# Altium PCB BACKPMANv21.PcbDoc (part 3 of 5)
Units mm, origin at the board's own origin, x right, y up, seen from the top; angles counter-clockwise.
Board outline 113 x 160 mm, 4 copper layers (Component Side, Layer 1, Layer 2, Bottom Layer), stack 1.637 mm thick; 353 components, 234 nets, 1200 pads, 796 vias.
Unrouted connection lines stored in the file: 4.
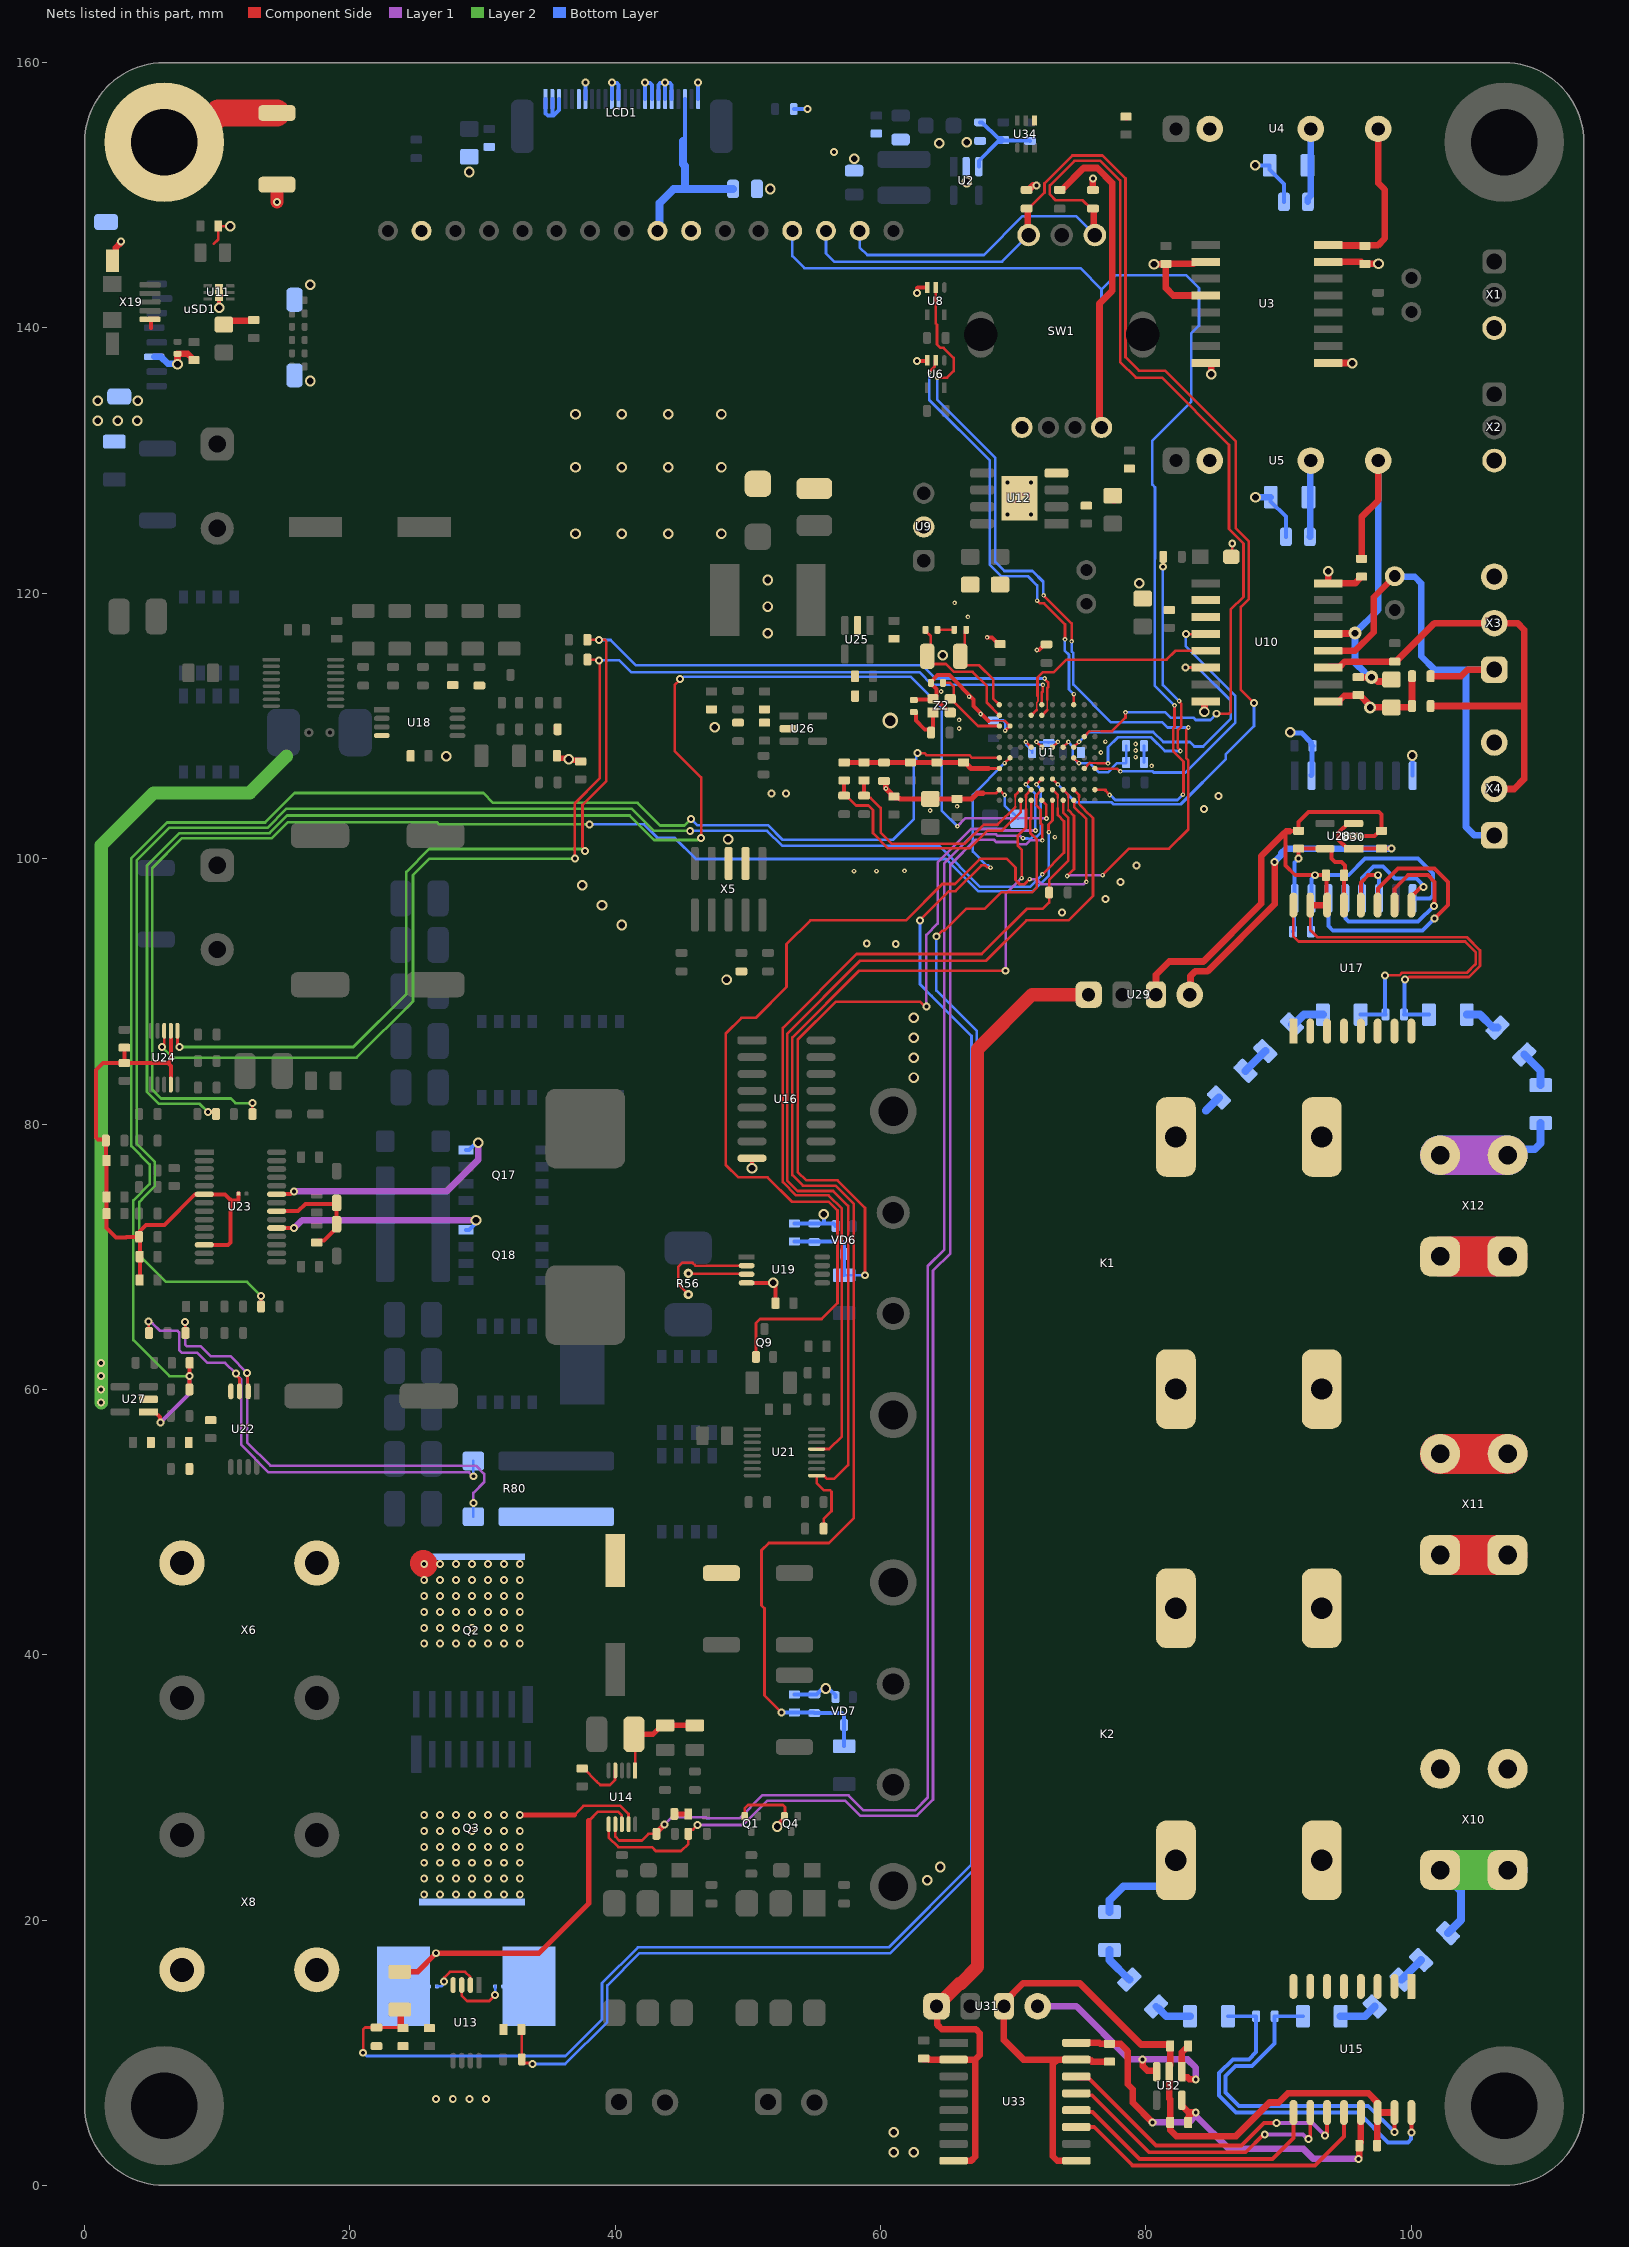
[diagram p5: the nets of this part, all layers, seen from the top]

## Via types
v1: diameter 0.8, hole 0.5, Component Side to Bottom Layer, tented both sides, 220 vias
v2: diameter 0.6, hole 0.3, Component Side to Bottom Layer, tented both sides, 204 vias
v3: diameter 0.35, hole 0.15, Component Side to Bottom Layer, tented both sides, 137 vias
v4: diameter 0.61, hole 0.3, Component Side to Bottom Layer, tented both sides, 135 vias
v5: diameter 0.6, hole 0.3, Component Side to Bottom Layer, 94 vias
v6: diameter 0.8, hole 0.5, Component Side to Bottom Layer, 2 vias
v7: diameter 1, hole 0.5, Component Side to Bottom Layer, tented both sides, 2 vias
v8: diameter 1.2, hole 0.8, Component Side to Bottom Layer, 1 vias
v9: diameter 0.9, hole 0.5, Component Side to Bottom Layer, tented both sides, 1 vias

## Nets (pads, with @x,y where several pads share a name; then routed paths per layer and width w, separated by ;. In a path a pad name is that pad's centre, name@x,y a point inside that pad or via, vN(x,y) a via of type N, cw(c..) or ccw(c..) an arc to the next point about the centre after c; other vN are vias at no path point) (continued)
ACC_I+: B2.2 U13.2 | length 3.7
  Component Side w0.2: 27.113,15.687 27.526,16.1 28.674,16.1 29.075,15.699 U13.2@29.075,15.1
  Bottom Layer w0.2: B2.2@26.55,15 26.883,15 26.998,15.116 26.998,15.307 v2(27.075,15.383)
ACC_I-: B1.2 U13.3 | length 4.3
  Component Side w0.2: U13.3@28.425,15.1 28.425,14.3 28.825,13.9 30.5,13.9 v2(30.95,14.35)
  Bottom Layer w0.2: v2(30.95,14.35) 30.95,14.55 B1.2@30.95,15
ACC_PWR: C27.1 C28.1 Q2.3 R28.2 R29.2 R80.1 U14.1 VD3.2 X6.1 | length 7.8
  Component Side w0.2: C28.1@41.4,34 41.5,33.9 U14.1@41.5,31.275
  Component Side w0.4: C28.1@41.4,34 42.825,34 43.5,34.675 R28.2@43.75,34.675 R29.2@46,34.675
  Component Side w2: v5@25.52,46.91 v5(25.6,46.83)
  other v5: 25.6,40.83 26.8,40.83 28,40.83 29.2,40.83 30.4,40.83 31.6,40.83 32.8,40.83 25.6,42.03 26.8,42.03 28,42.03 29.2,42.03 30.4,42.03 31.6,42.03 32.8,42.03 25.6,43.23 26.8,43.23 28,43.23 29.2,43.23 30.4,43.23 31.6,43.23 32.8,43.23 25.6,44.43 26.8,44.43 28,44.43 29.2,44.43 30.4,44.43 31.6,44.43 32.8,44.43 25.6,45.63 26.8,45.63 28,45.63 29.2,45.63 30.4,45.63 31.6,45.63 32.8,45.63 26.8,46.83 28,46.83 29.2,46.83 30.4,46.83 31.6,46.83 32.8,46.83
ACCID_I+: R56.3 U19.2 | length 7.8
  Component Side w0.2: R56.3@45.5,67.15 44.75,67.9 44.75,69.25 45.037,69.537 45.818,69.537 46.03,69.325 U19.2@49.9,69.325
ACCID_I-: R56.4 U19.3 | length 4.4
  Component Side w0.2: R56.4@45.5,68.75 45.537,68.713 49.862,68.713 U19.3@49.9,68.675
ACCUM_I: C90.2 R103.2 U1.K3 | length 19.1
  Component Side w0.2: R103.2@57.25,104.75 57.4,104.75 58.15,104 59.08,104 59.425,103.655 59.425,101.916 60.566,100.775 66.714,100.775 68.047,102.108 69.164,102.108 70.55,103.494 U1.K3@70.55,104.4
  Component Side w0.3: R103.2@57.25,104.75 C90.2@57.25,105.9
ACCUM_I+: R80.3 R113.2 U22.2 | length 37.2
  Component Side w0.2: v2(7.575,65.075) 7.587,65.063 7.587,64.263 R113.2@7.6,64.25 ; v2(12.25,61.25) 12.288,61.212 12.288,59.887 U22.2@12.325,59.85
  Layer 1 w0.2: v2(7.575,65.075) 7.575,63.367 7.692,63.25 8.75,63.25 9.5,62.5 11,62.5 v2(12.25,61.25) 12.25,56 14,54.25 29.488,54.25 30.11,53.628 30.11,52.998 29.3,52.188 v2(29.3,51.45)
  Bottom Layer w0.2: R80.3@29.3,50.4 v2(29.3,51.45)
ACCUM_I-: R80.4 R114.2 U22.3 | length 36.5
  Component Side w0.2: v2(4.81,65.105) 4.83,65.085 4.83,64.27 R114.2@4.85,64.25 ; v2(11.413,61.182) 11.413,61.074 11.675,60.812 U22.3@11.675,59.85
  Layer 1 w0.2: v2(4.81,65.105) 4.918,65.105 5.05,64.973 5.127,64.973 5.682,64.418 7.008,64.418 7.125,64.3 7.125,62.975 7.35,62.75 8.5,62.75 9.25,62 10.595,62 v2(11.413,61.182) 11.413,61.128 11.81,60.731 11.81,58.318 11.81,55.818 13.878,53.75 28.983,53.75 29.283,53.45 v2(29.3,53.45)
  Bottom Layer w0.2: v2(29.3,53.45) R80.4@29.3,54.6
ACCUM_ID_I: C94.2 R105.2 U1.J3 | length 17.8
  Component Side w0.125: 70.155,103.905 70.155,104.673
  Component Side w0.2: R105.2@58.75,104.75 58.919,104.581 59.249,104.581 60,103.83 60,101.976 60.858,101.117 66.327,101.117 67.775,102.565 68.815,102.565 70.155,103.905 ; 70.155,104.673 70.155,104.805 U1.J3@70.55,105.2
  Component Side w0.3: R105.2@58.75,104.75 C94.2@58.75,105.9
ACCUM_V: C101.1 R111.2 U1.F1 U27.1 | length 125.7
  Component Side w0.2: v2(62.77,107.945) 63.31,107.945 63.456,107.8 66.699,107.8 66.899,107.6 U1.F1@68.95,107.6
  Component Side w0.3: U27.1@4.825,58.3 5.275,58.3 5.676,57.899 5.676,57.552 v2(5.733,57.494) ; R111.2@7.9,59.85 R111.2@7.9,60 7.912,60.012 v2(7.912,61) 7.912,61.987 C101.1@7.925,62
  Layer 1 w0.3: v2(5.733,57.494) 7.912,59.674 v2(7.912,61)
  Layer 2 w0.2: v2(7.912,61) 6.4,61 3.675,63.725 3.675,74.25 4.9,75.475 4.9,76.95 3.525,78.325 3.525,100.037 6.213,102.725 13.606,102.725 15.831,104.95 30.05,104.95 30.8,104.2 41.676,104.2 43.376,102.5 45.2,102.5 v2(45.7,103)
  Bottom Layer w0.2: v2(45.7,103) 46.175,102.525 51.5,102.525 52.6,101.425 60.925,101.425 62.5,103 62.5,107.25 62.693,107.443 62.693,107.869 v2(62.77,107.945)
AGND: C24.1 C25.1 C26.2 C51.2 C52.2 C59.1 C74.1 C77.2 C89.1 C90.1 C91.2 C92.1 C93.2 C94.1 C95.1 C96.1 C97.2 C98.2 C99.2 C100.2 C102.2 C103.2 L2.2 R20.1 R67.1 R83.1 R107.1 R112.1 U1.G1 U13.4 U18.4 U19.4 U22.4 U25.2 U26.2 U27.2 | length 77.5
  Component Side w0.2: v1@47.25,110.108 47.375,109.983 47.375,109.9 v1(47.483,109.9) ; C98.2@51.25,110.25 C98.2@51.375,110.25 ; 68.125,106.8 U1.G1@68.95,106.8
  Component Side w0.3: U19.4@49.9,68.025 v1(51.899,68.025) 52.075,67.849 C52.2@52.075,66.375
  Component Side w0.4: C59.1@27.75,113.075 C59.1@27.762,113.063 ; R67.1@29.737,113.063 R67.1@29.75,113.05 ; R83.1@35.55,109.8 R83.1@35.625,109.725 ; C74.1@35.6,107.75 35.7,107.65 35.7,107.577 36.423,107.577 v1(36.5,107.5) 36.577,107.423 37.288,107.423 C92.1@37.387,107.325 ; C90.1@57.25,107.25 L2.2@60.25,107.25 C93.2@62.25,107.25 C89.1@64.25,107.25 66.375,107.25 66.825,106.8 68.125,106.8 ; C96.1@58.038,112.213 C96.1@58.075,112.25 ; U25.2@58.25,117.125 U25.2@58.25,117.575
  Layer 2 w1: v2(1.25,59) v2(1.25,60) v2(1.25,61) v2(1.25,62) 1.25,101 5.2,104.95 12.45,104.95 15.213,107.713
  other v1: 27.25,107.713
  other v2: 26.5,6.5 27.75,6.5 29,6.5 30.25,6.5
AIDS_FAULT: R72.1 U1.K7 U21.13 | length 68.8
  Component Side w0.2: U21.13@55.175,55.5 56.125,55.5 57.075,56.45 57.075,73.622 56.078,74.619 53.622,74.619 52.625,75.615 52.625,87.25 58.187,92.812 67.612,92.812 71.012,96.212 72.212,96.212 72.7,96.7 R72.1@72.7,97.45 72.7,98.4 74.148,99.848 74.148,103.068 73.75,103.466 U1.K7@73.75,104.4
AIDS_FBC: Q9.1 U1.K8 | length 78.9
  Component Side w0.2: Q9.1@50.6,62.45 50.6,64.986 50.914,65.3 55.55,65.3 56.75,66.5 56.75,73.487 56.087,74.15 53.3,74.15 51.475,75.975 49.275,75.975 48.325,76.925 48.325,86.825 49.5,88 50.586,88 52.908,90.322 52.908,93.558 54.702,95.352 61.9,95.352 64.643,98.095 65.608,98.095 67.513,100 69.494,100 70.163,99.332 70.163,98.392 70.485,98.069 70.849,98.069 v3(71.23,98.45) ; U1.K8@74.55,104.4 74.59,104.361 74.59,103.896 75.5,102.986 v3(75.5,98.25)
  Layer 1 w0.2: v3(71.23,98.45) 71.73,98.45 72.105,98.075 75.308,98.075 75.483,98.25 v3(75.5,98.25)
AIDS_SHDN: R78.2 U1.J8 U21.9 | length 79.8
  Component Side w0.125: 74.95,104.606 74.95,104.119 75.035,104.035
  Component Side w0.2: R78.2@55.7,49.5 55.7,50.225 56.3,50.825 56.3,52.275 56.175,52.4 55.7,52.4 55.175,52.925 U21.9@55.175,53.5 55.711,53.5 55.961,53.25 56.5,53.25 57.55,54.3 57.55,73.819 56.419,74.95 53.75,74.95 52.95,75.75 52.95,86.8 58.454,92.304 67.929,92.304 70.977,95.352 74.168,95.352 76,97.184 76,103.059 75.375,103.684 75.375,103.694 75.035,104.035 ; U1.J8@74.55,105.2 74.95,104.8 74.95,104.606
BG1: Q17.1 U23.23 | length 18.7
  Component Side w0.2: U23.23@14.475,74.702 U23.23@14.504,74.731
  Component Side w0.3: v2(15.8,74.925) 15.719,74.925 15.519,74.725 U23.23@14.51,74.725 ; U23.23@14.51,74.725 14.504,74.731 U23.23@14.51,74.725
  Layer 1 w0.5: v2(15.8,74.925) 27.275,74.925 29.679,77.329 v1(29.679,78.579)
  Bottom Layer w0.3: Q17.1@28.75,78.04 28.975,78.04 29.419,78.484 29.584,78.484 v1(29.679,78.579)
BG2: Q18.1 U23.19 | length 16.5
  Component Side w0.3: U23.19@14.475,72.162 15.781,72.162 v2(15.796,72.147)
  Layer 1 w0.5: v2(15.796,72.147) 16.398,72.75 v1(29.5,72.75)
  Bottom Layer w0.3: Q18.1@28.75,72.02 28.975,72.02 29.5,72.545 v1(29.5,72.75)
CAN0_RX: U1.B4 U10.5 | length 16.6
  Component Side w0.125: 71.759,111.207 71.759,111.762 71.863,111.865 71.863,112.231 71.825,112.268
  Component Side w0.2: U1.B4@71.35,110.8 71.352,110.8 71.759,111.207 ; 71.825,112.268 71.825,113.658 72.208,114.041 73.041,114.041 74,115 81.55,115 82.22,115.67 U10.5@84.5,115.67
CAN0_TX: U1.E8 U10.6 | length 21
  Component Side w0.2: U1.E8@74.55,108.4 v3(74.95,108.8) ; v2(82.982,114.402) 84.498,114.402 U10.6@84.5,114.4
  Bottom Layer w0.2: v3(74.95,108.8) 75.7,109.55 80.544,109.55 81.305,108.788 83.312,108.788 83.642,108.458 84.303,108.458 86.397,110.553 86.397,111.901 83.896,114.402 v2(82.982,114.402)
CAN0H: E3.2 J2.2 U10.12 X3.1 X4.1 | length 41.8
  Component Side w0.5: U10.12@93.75,115.67 95.763,115.67 97.161,117.068 97.161,119.701 J2.2@98.75,121.29 ; E3.2@101.45,113.75 103.75,113.75 104.25,114.25 X3.1@106.25,114.25
  Bottom Layer w0.5: J2.2@98.75,121.29 98.79,121.25 100.25,121.25 100.75,120.75 100.75,115.25 101.75,114.25 104.116,114.25 ; X4.1@106.25,101.75 104.75,101.75 104.116,102.384 104.116,114.25 ; X3.1@106.25,114.25 104.116,114.25
CAN0L: E4.2 R49.1 U10.11 X3.2 X4.2 | length 37.2
  Component Side w0.5: U10.11@93.75,114.4 93.8,114.45 94.575,114.45 94.975,114.85 R49.1@98.75,114.85 ; R49.1@98.851,114.85 101.751,117.75 X3.2@106.25,117.75 108,117.75 108.5,117.25 108.5,111.625 ; E4.2@101.45,111.5 108.375,111.5 108.5,111.625 ; X4.2@106.25,105.25 107.75,105.25 108.5,106 108.5,111.625
CANCTRL: U1.G10 U10.4 | length 22
  Component Side w0.2: U1.G10@76.15,106.8 76.162,106.788 77.812,106.788 78.025,106.575 v3(78.066,106.575) ; v2(83.007,116.916) 84.476,116.916 U10.4@84.5,116.94
  Bottom Layer w0.2: v3(78.066,106.575) 80.501,106.575 80.583,106.493 82.978,106.493 86.722,110.237 86.722,112.287 83.007,116.002 v2(83.007,116.916)
CGND: B3.2 C79.1 C80.1 C81.1 C82.1 C86.2 C87.2 C88.2 R90.1 R100.1 U23.6 U23.12 U24.4 U24.7 | length 48.2
  Component Side w0.3: C82.1@3,85.75 C86.2@3,84.6 ; R90.1@4.1,71.5 3.176,71.5 3.125,71.449 2.351,71.449 1.65,72.15 C80.1@1.65,73.25 C79.1@1.65,74.5 C81.1@1.65,77.25 1.625,77.275 1.625,78.725 R100.1@1.6,78.75 1.525,78.825 1.025,78.825 0.875,78.975 0.875,84.075 1.4,84.6 C86.2@3,84.6 ; C88.2@4.15,68.25 C88.2@4.175,68.275 ; U24.4@6.5,82.975 6.5,84.375 6.275,84.6 ; U24.7@6.5,87.025 6.5,84.825 6.275,84.6 ; U23.12@9.025,70.892 10.824,70.892 11.015,71.083 11.015,72.186 11,72.201 11,74.297 ; B3.2@11.6,74.75 11.6,74.25 11.047,74.25 10.594,74.702 U23.6@9.025,74.702 9.002,74.68 8.305,74.68 6.025,72.4 4.625,72.4 R90.1@4.175,71.95 ; C86.2@3,84.6 6.275,84.6 ; C88.2@4.175,68.275 R90.1@4.175,71.95 ; C88.2@4.175,68.275 R90.1@4.175,71.95
DCDC_MODE: R115.2 U1.K6 | length 103
  Component Side w0.2: R115.2@12.65,80.75 v2(12.65,81.575) ; v3(72.675,102) 72.655,102.02 72.655,102.575 72.95,102.87 U1.K6@72.95,104.4
  Layer 2 w0.2: v2(12.65,81.575) 11.372,81.575 11.022,81.925 5.766,81.925 5.1,82.591 5.1,99.309 7.316,101.525 14.103,101.525 15.328,102.75 26.555,102.75 26.714,102.591 v2(38.049,102.591)
  Bottom Layer w0.2: v2(38.049,102.591) 42.159,102.591 43.175,101.575 44.475,101.575 46.075,99.975 64.925,99.975 67.35,97.55 71.491,97.55 72.675,98.734 v3(72.675,102)
DCDC_PGOOD: R95.1 U1.J6 | length 122.2
  Component Side w0.125: 73.35,103.8 73.35,104.606
  Component Side w0.2: R95.1@13.3,66.25 v2(13.3,67.05) ; v3(72.187,98.812) 73.823,100.448 73.823,102.809 73.35,103.282 73.35,103.8 ; U1.J6@72.95,105.2 73.35,104.8 73.35,104.606
  Layer 2 w0.2: v2(13.3,67.05) 12.25,68.1 6.125,68.1 4.125,70.1 4.125,74.125 4.325,74.325 4.325,74.334 5.3,75.309 5.3,77.15 3.925,78.525 3.925,99.871 6.379,102.325 13.772,102.325 15.197,103.75 41.25,103.75 42.9,102.1 v2(45.649,102.1)
  Bottom Layer w0.2: v2(45.649,102.1) 51.45,102.1 52.575,100.975 64.384,100.975 67.484,97.875 71.25,97.875 v3(72.187,98.812)
Earth: H1.0 VD12.2 | length 9.4
  Component Side w2: H1.0@6,154 7.894,154 10.094,156.2 VD12.2@14.5,156.2
EN_CHARGER: R101.2 U1.K5 | length 118.7
  Component Side w0.2: v2(9.3,80.905) 9.745,80.905 R101.2@9.9,80.75 ; v2(44.875,113.525) 44.875,113.476 44.475,113.076 44.475,108.124 46.475,106.124 v2(46.475,101.55) ; U1.K5@72.15,104.4 72.15,104.372 72.492,104.03 v3@72.492,103.025
  Layer 1 w0.2: v3(65.783,102.442) 66.374,103.032 72.493,103.032 v3(72.5,103.025)
  Layer 2 w0.2: v2(9.3,80.905) 8.68,81.525 5.6,81.525 4.7,82.425 4.7,99.475 7.15,101.925 13.938,101.925 15.263,103.25 41.084,103.25 42.934,101.4 46.217,101.4 46.367,101.55 v2(46.475,101.55)
  Bottom Layer w0.2: v2(44.875,113.525) 44.983,113.525 45.158,113.7 62.271,113.7 64.618,111.354 64.618,103.607 v3(65.783,102.442)
ENC_A: P10.1 R10.1 SW1.A U1.D9 | length 92.1
  Component Side w0.125: 75.757,109.607 76.643,109.607
  Component Side w0.2: U1.D9@75.35,109.2 75.757,109.607 ; R10.1@76,149 75.85,149 75.227,149.623 73.19,149.623 72.75,150.064 72.75,150.736 74.614,152.6 76.559,152.6 78.05,151.109 78.05,137.45 79.25,136.25 81.199,136.25 86.258,131.191 86.258,124.84 87.35,123.749 87.35,119.737 86.385,118.772 86.385,111.039 86.268,110.922 v2(85.319,110.922) ; 76.643,109.607 77.432,109.607 78.45,110.625 v3(78.45,111.025)
  Component Side w0.5: R10.1@76,149 76.025,149 76.075,148.95 76.075,147.075 SW1.A@76.15,147
  Bottom Layer w0.2: P10.1@58.42,147.32 58.42,146.08 59,145.5 67.775,145.5 70.7,148.425 74.725,148.425 SW1.A@76.15,147 ; v3(78.45,111.025) 81.454,111.025 81.858,110.621 83.577,110.621 83.749,110.449 84.846,110.449 v2(85.319,110.922)
ENC_B: P11.1 R11.1 SW1.B U1.H6 | length 95.9
  Component Side w0.2: R11.1@71,149 71.025,149 71.15,149 72.35,150.2 72.35,150.902 74.448,153 76.725,153 78.45,151.275 78.45,137.8 79.471,136.779 81.432,136.779 86.766,131.445 86.766,124.898 87.75,123.914 87.75,119.571 87.15,118.971 87.15,112.723 v2(88.138,111.735) ; U1.H6@72.95,106 v3(73.35,105.6)
  Component Side w0.5: R11.1@71.025,149 71.075,148.95 71.075,147.075 SW1.B@71.15,147
  Bottom Layer w0.2: P11.1@55.88,147.32 55.88,145.62 56.5,145 69.15,145 SW1.B@71.15,147 ; v3(73.35,105.6) 74.7,104.25 77.398,104.25 77.548,104.1 82.619,104.1 86,107.482 86,107.844 88.138,109.982 v2(88.138,111.735)
ENC_SW: P13.1 R13.1 SW1.4 U1.J10 | length 116.7
  Component Side w0.2: U1.J10@76.15,105.2 76.944,105.2 76.944,105.123 v3(77.267,104.8) ; v3(82.15,111.55) 82.15,109.904 82.042,109.796 82.042,108.102 82.829,107.315 82.829,104.877 v3(82.779,104.826)
  Component Side w0.5: R13.1@73.5,150.4 73.65,150.4 75.3,152.05 76.331,152.05 77.45,150.931 77.45,142.793 76.5,141.844 76.5,132.65 SW1.4@76.65,132.5
  Bottom Layer w0.2: P13.1@53.34,147.32 53.34,145.41 54.25,144.5 75.05,144.5 76.65,142.9 ; SW1.4@76.65,132.5 76.65,142.9 ; v3(77.267,104.8) 77.307,104.8 77.683,104.425 82.378,104.425 v3(82.779,104.826) ; v3(82.15,111.55) 80.65,113.051 80.65,122.584 80.675,122.609 80.675,127.991 80.475,128.191 80.475,131.5 83.4,134.425 83.4,139.575 84,140.175 84,143 83.025,143.975 77.725,143.975 76.65,142.9
EXTAL: C13.1 U1.C1 Z2.3 | length 6.5
  Component Side w0.2: C13.1@64.702,113.25 65.227,113.25 65.5,112.977 65.5,112.3 Z2.3@65.25,112.05 65.3,112.05 67.35,110 U1.C1@68.95,110
GND: B7.1 C1.1 C2.2 C3.2 C4.1 C5.2 C7.2 C9.1 C10.2 C11.2 C12.2 C13.2 C14.2 C15.2 C16.2 C17.2 C18.1 C19.1 C20.1 C21.1 C22.1 C23.2 C30.2 C31.1 C33.1 C34.1 C36.1 C37.1 C39.1 C40.1 C43.1 C44.2 C45.2 C46.1 C47.2 C48.1 C49.2 C58.1 C111.1 C112.1 C113.2 C114.2 C115.2 L2.1 LCD1.1 LCD1.2 LCD1.3 LCD1.6 LCD1.7 LCD1.11 LCD1.12 LCD1.16 LCD1.17 LCD1.18 LCD1.19 LCD1.20 LCD1.24 LED17.2 P9.1 P16.1 Q1.2 Q4.2 R1.1 R3.1 R5.2 R10.2 R11.2 R14.2 R52.1 R54.1 R116.1 R117.1 SW1.1 U1.C2 U1.E4 U1.E5 U1.E6 U1.J1 U2.2 U3.2 U3.4 U3.8 U4.2 U5.2 U6.3 U8.3 U9.2 U10.2 U10.3 U10.8 U11.7 U12.4 U12.9 U16.8 U29.1 U30.2 U30.8 U31.1 U33.2 U33.8 U34.4 uSD1.6 uSD1.9 uSD1.10 uSD1.11 uSD1.12 VD2.2 VD6.1 VD7.1 VD12.1 X5.3 X5.5 X19.5 X19.G1 Z2.2 Z2.4 | length 219.5
  Component Side w0.125: 68.12,110.391 69.359,110.391
  Component Side w0.2: 9.725,146.333 10.075,146.683 C45.2@10.075,147.675 v1(10.975,147.675) ; Q1.2@49.75,27.825 49.75,28.425 50,28.675 52.625,28.675 52.792,28.508 52.792,27.867 Q4.2@52.75,27.825 ; C12.2@64.277,117.246 64.685,117.246 64.688,117.25 C11.2@65.548,117.25 ; 67.689,104.925 68.675,104.925 U1.J1@68.95,105.2 v3(69.35,104.8) ; 69.359,110.391 U1.C2@69.75,110 ; v3@69.391,109.642 U1.C2@69.75,110 ; v3(70.95,108.8) U1.E4@71.35,108.4 ; v3(71.75,108.8) U1.E5@72.15,108.4 ; U1.E6@72.95,108.4 v3(73.35,108.8) ; LED17.2@86.425,122.75 86.5,122.825 v2(86.5,123.75)
  Component Side w0.3: X19.5@4.926,140.65 4.95,140.65 5,140.6 5,140 ; U11.7@10.125,142.675 10.135,142.664 10.135,141.536 v1(10.146,141.525) ; v1@48.291,90.959 v1(48.387,90.863) v1@48.482,90.959 ; X5.5@48.52,99.656 X5.5@48.54,99.636 ; v1(50.3,76.675) U16.8@50.3,77.42 ; v1(52.2,27.05) 52.296,27.146 52.296,27.291 52.75,27.745 Q4.2@52.75,27.825 ; C14.2@62.5,111.952 62.601,111.952 62.65,112.001 63.901,112.001 Z2.4@63.95,112.05 Z2.4@63.978,112.05 ; v2(62.75,137.5) 62.775,137.525 63.475,137.525 63.475,137.5 63.5,137.525 U6.3@63.5,137.55 ; 62.75,143 62.8,143.05 U8.3@63.5,143.05 ; Z2.2@65.25,111 65.2,111 64.55,111.65 64.42,111.65 64.02,112.05 Z2.4@63.978,112.05 ; v3(68.025,116.675) 68.035,116.665 68.384,116.665 68.875,116.175 C17.2@69,116.175 ; 68.12,110.391 67,111.511 67,112.007 65.257,113.75 65.25,113.75 65.175,113.825 64.298,113.825 63.798,113.325 C13.2@63.798,113.25 63.798,113.175 64.2,112.773 64.2,112.272 Z2.4@63.978,112.05 ; v3(71.775,115.725) 71.785,115.735 71.935,115.735 72.35,116.15 R1.1@72.5,116.15